# Altium PCB RadYaab_v1.PcbDoc (part 1 of 2)
Units mm, origin at the board's own origin, x right, y up, seen from the top; angles counter-clockwise.
Board outline 44 x 89 mm, 2 copper layers (Top Layer, Bottom Layer), stack 0.351 mm thick; 149 components, 96 nets, 434 pads, 290 vias.
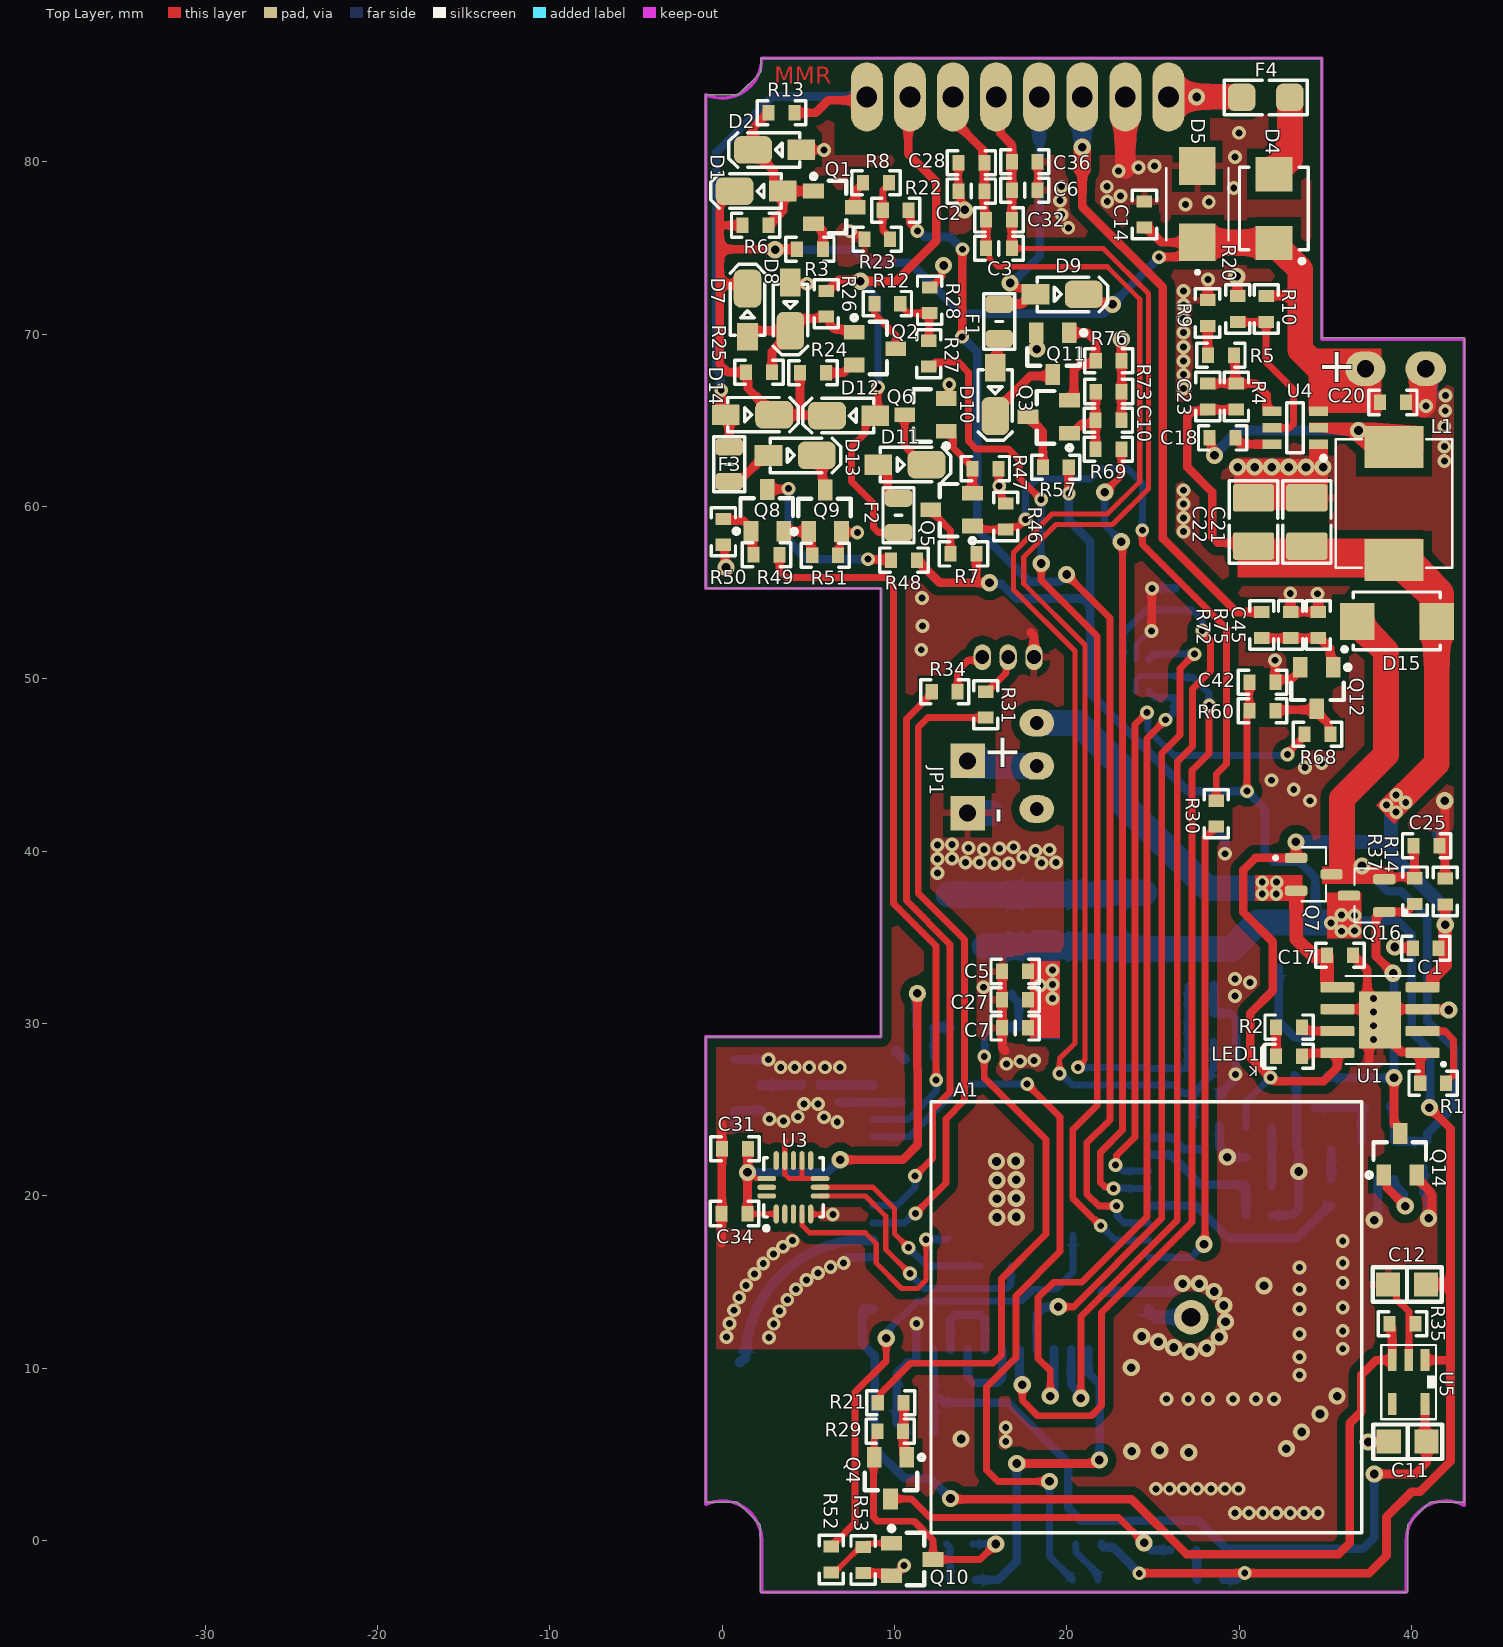
[diagram p0: Top Layer view]
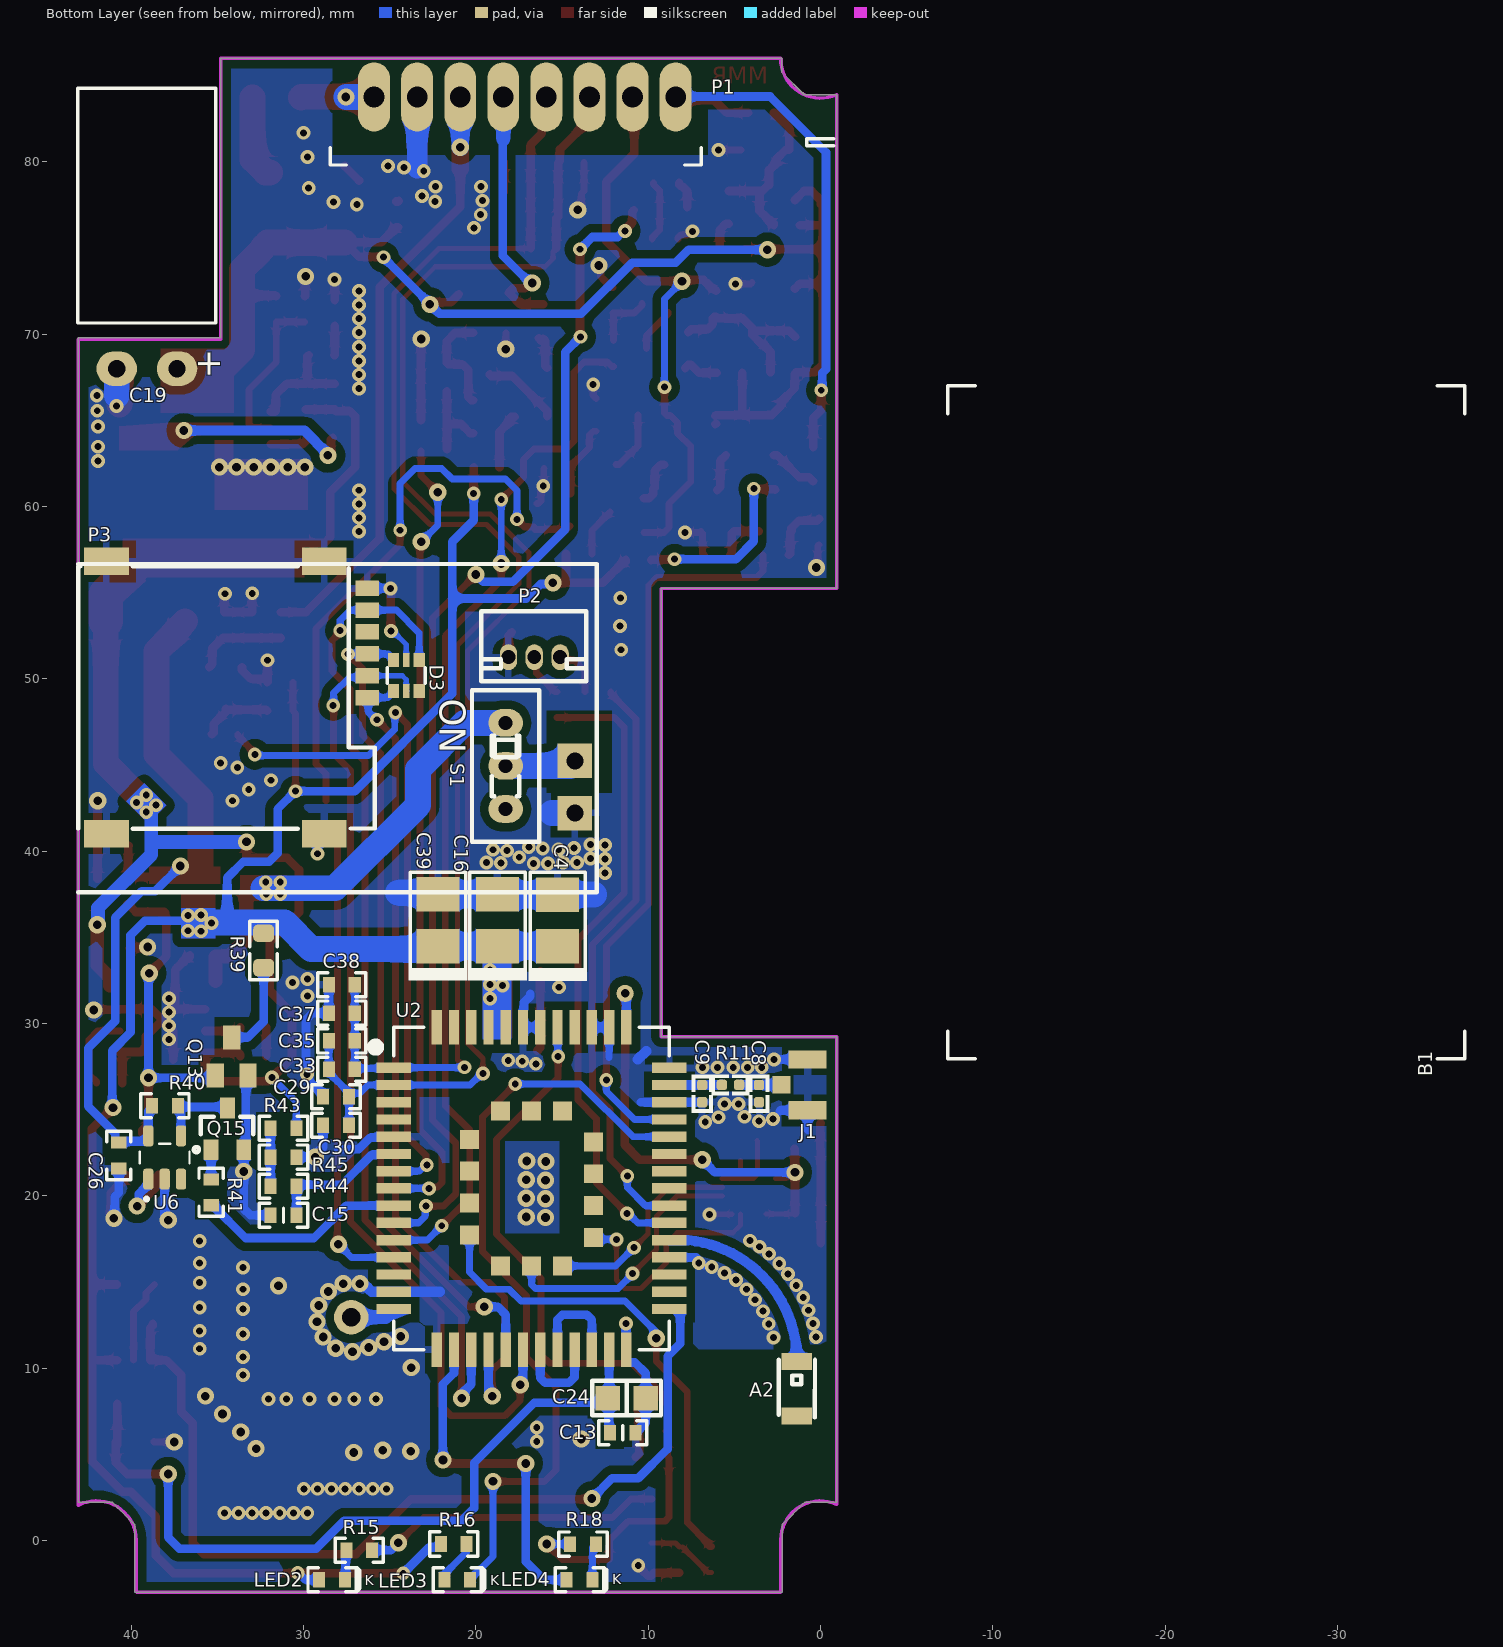
[diagram p1: Bottom Layer view, seen from below]
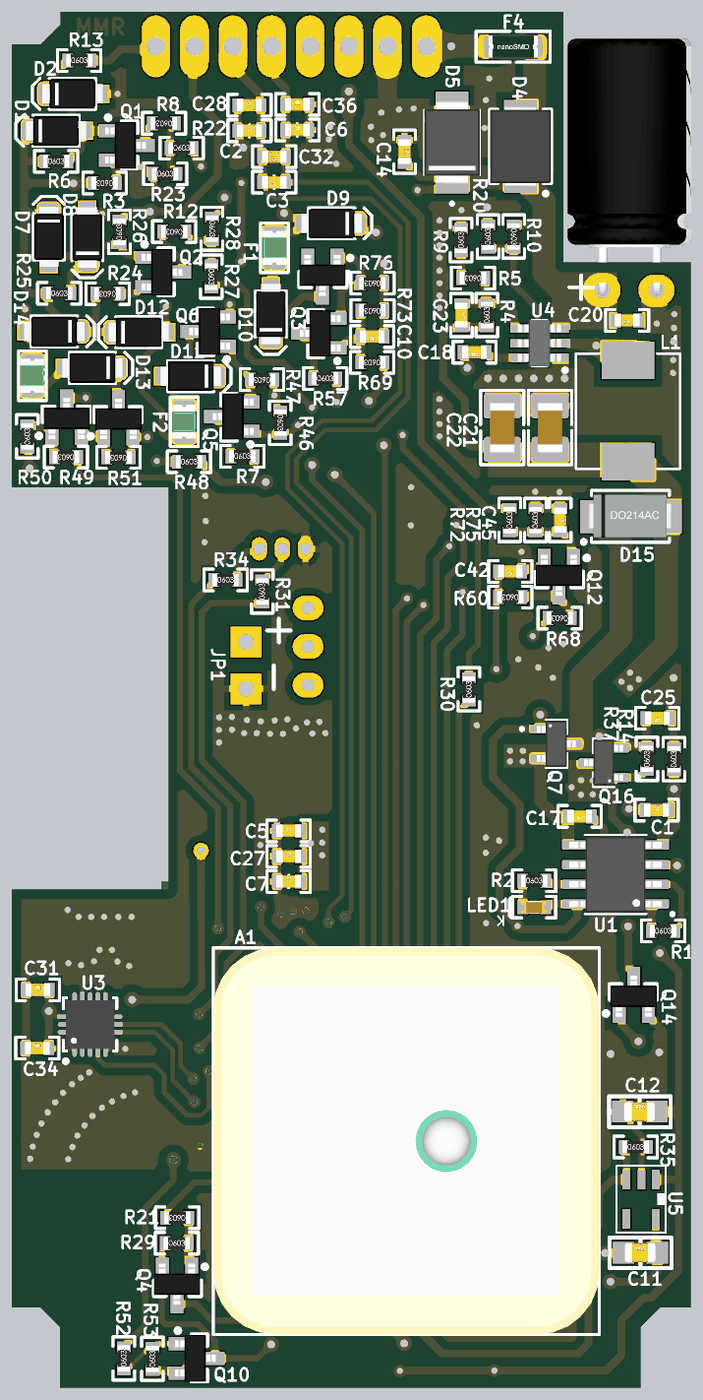
[diagram p3: 3D render of the assembled board from above, using the file's embedded part models]
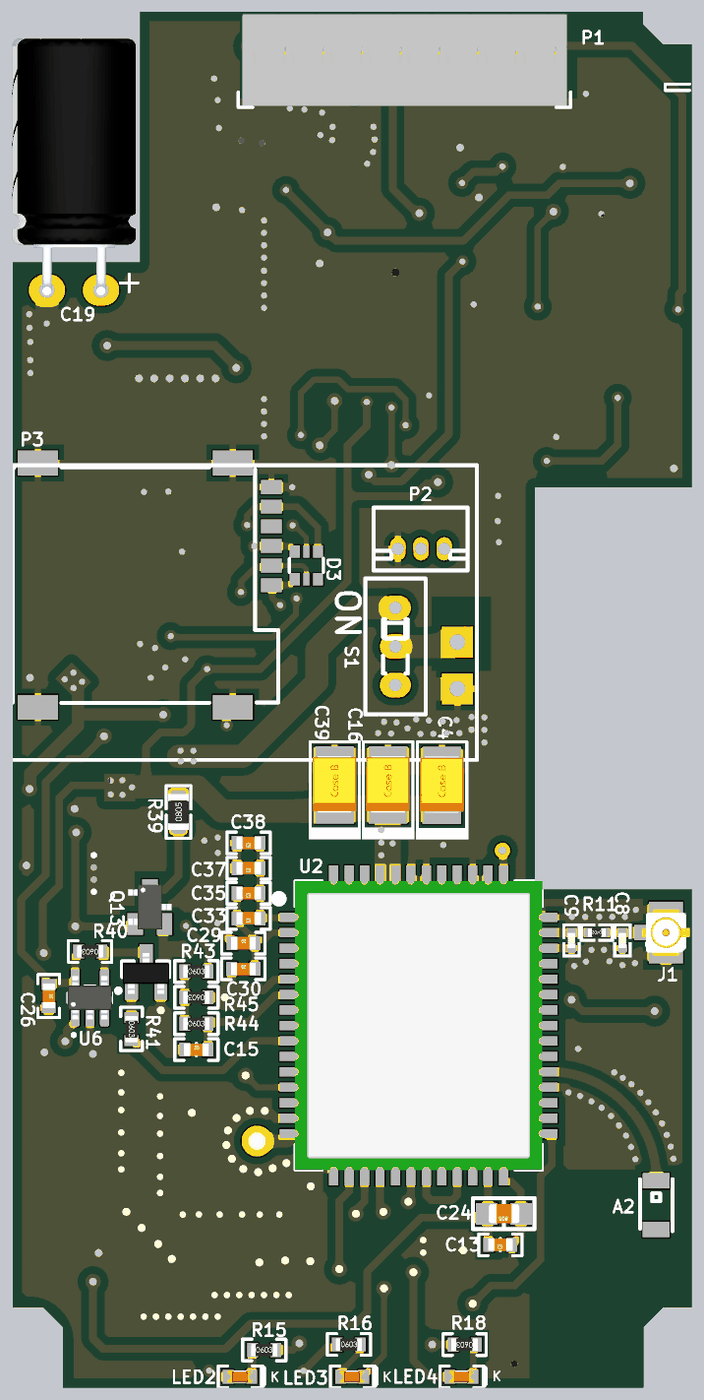
[diagram p4: 3D render of the assembled board from below, using the file's embedded part models]

## Layer stack, top to bottom
Top Solder: solder mask 0.0102, Solder Resist, Dk 3.5
Top Layer: signal copper 0.0356
Dielectric 1: core 0.28, FR-4, Dk 4.2
Bottom Layer: signal copper 0.0356
Bottom Solder: solder mask 0.0102, Solder Resist, Dk 3.5

## Board outline
-0.943,2.207 0.912,2.207 2.207,0.912 2.207,-3 39.799,-3 39.799,0.937 41.069,2.207 43.057,2.207 43.057,69.799 34.807,69.799 34.807,86.004 2.232,86.004 2.232,85.189 0.94,83.896 -0.943,83.896 -0.943,55.245 9.22,55.245 9.22,29.235 -0.943,29.235

## Design rules (kind name [scope] priority, off if disabled: settings)
Clearance Clearance_ANT_PAD [InPadClass('U2-ANT')] p1: gap=0.5 ignorepadtopadclearanceinfootprint=FALSE except(0: Arc-Hole Track-Hole SMDPad-Hole THPad-Hole Via-Hole Fill-Hole Poly-Hole Region-Hole Text-Hole)
Clearance Clearance_CI [InNet('GSM_ANT') or InNet('MC60_ANT_PAD')] p2: gap=0.2 ignorepadtopadclearanceinfootprint=FALSE except(0: Arc-Hole Track-Hole SMDPad-Hole THPad-Hole Via-Hole Fill-Hole Poly-Hole Region-Hole Text-Hole; 0.15: Arc-Via Track-Via; 0.5: Arc-THPad Track-THPad SMDPad-THPad THPad-THPad THPad-Via THPad-Fill THPad-Poly THPad-Region THPad-Text)
Clearance Clearance_Poly [InPoly] p3: gap=0.5 ignorepadtopadclearanceinfootprint=FALSE except(0: Arc-Hole Track-Hole SMDPad-Hole THPad-Hole Via-Hole Fill-Hole Poly-Hole Region-Hole Text-Hole)
Clearance [All] p4: gap=0.2 ignorepadtopadclearanceinfootprint=FALSE except(0: Arc-Hole Track-Hole SMDPad-Hole THPad-Hole Via-Hole Fill-Hole Poly-Hole Region-Hole Text-Hole)
HoleSize [All] p1 off: absolutevalues=TRUE maxlimit=2.54 minlimit=0.025 maxpercent=80.000 minpercent=20.000
HoleToHoleClearance [All] p1 off: gap=0.254 allowstackedmicrovias=TRUE
MinimumSolderMaskSliver [All] p1: minsoldermaskwidth=0.025
PolygonConnect PolygonDirectConnect [IsVia] p1: connectstyle=Direct reliefconductorwidth=0.254 reliefentries=4 polygonreliefangle="45 Angle" airgapwidth=0.254
PolygonConnect [All] p2: connectstyle=Relief reliefconductorwidth=0.4 reliefentries=4 polygonreliefangle="90 Angle" airgapwidth=0.4
RoutingVias [All] p1: holewidth=0.3 width=0.6 viastyle="Through Hole" minholewidth=0.3 minwidth=0.6 maxholewidth=1.27 maxwidth=1.27
SilkToSilkClearance [All] p1 off: silktosilkclearance=0.05
SilkToSolderMaskClearance [IsPad] p1 off: minsilkscreentomaskgap=0.02 clearancetoexposedcopper=TRUE
SolderMaskExpansion [All] p1: expansion=0.102 istentingtop=FALSE
Width [All] p1: maxlimit=5 minlimit=0.2 preferedwidth=0.254 minimp=50.000000 maximp=50.000000 favimp=50.000000
25 further rules are at their usual default settings.

## Classes and differential pairs
pad class U2-ANT: U2-41

## Components (designator, comment, footprint, x,y, rotation, side; value= is the part's Value field where it differs from the comment)
A1 "YDRA-A25-1575" YDRA-A25-1575 27.221,12.954 r270 top locked
A2 "2450AT18A100E" ANT-SMD_L3.2-W1.6 1.372,8.81 r270 bottom
B1 "PL 423040 3.7V 450maH 1.66wH" 3.7V-450mAh -37.389,66.548 r0 bottom
C1 "10uF" "C_0603 (1608 Metric)" 40.08,34.366 r0 top
C2 "10PF" "C_0603 (1608 Metric)" 13.715,78.308 r0 top
C3 "10PF" "C_0603 (1608 Metric)" 16.816,74.981 r180 top
C4 "100uF/6.3V" Tantalum-B 15.248,34.473 r270 bottom
C5 "10pF" "C_0603 (1608 Metric)" 16.255,33.02 r0 top
C6 "10PF" "C_0603 (1608 Metric)" 16.815,78.359 r0 top
C7 "100nF" "C_0603 (1608 Metric)" 16.255,29.743 r0 top
C8 "NA" C0402 3.556,25.933 r90 bottom
C9 "NA" C0402 6.858,25.933 r90 bottom
C10 "1uF" "C_0603 (1608 Metric)" 23.165,64.999 r180 top
C11 "10uF" "C_0805 (2012 Metric)" 38.684,5.74 r0 top
C12 "10uF" "C_0805 (2012 Metric)" 38.643,14.859 r0 top
C13 "100nF" "C_0603 (1608 Metric)" 10.717,6.248 r0 bottom
C14 "10nF" "C_0603 (1608 Metric)" 24.511,77.7 r270 top
C15 "100nF" "C_0603 (1608 Metric)" 31.904,18.872 r180 bottom
C16 "100uF/6.3V" Tantalum-B 18.745,34.49 r270 bottom
C17 "10uF" "C_0603 (1608 Metric)" 36.601,33.96 r180 top
C18 "100nF" "C_0603 (1608 Metric)" 29.796,63.983 r180 top
C19 "100uF/50V" CAP-16-5-3.5MM 37.33,68 r0 bottom locked
C20 "100nF" "C_0603 (1608 Metric)" 39.675,66.04 r180 top
C21 "22uF" C1206E 33.934,59.106 r270 top
C22 "22uF" C1206E 30.836,59.106 r270 top
C23 "75pF" "C_0603 (1608 Metric)" 28.194,67.132 r270 top
C24 "10uF" "C_0805 (2012 Metric)" 10.135,8.255 r0 bottom
C25 "1uF" "C_0603 (1608 Metric)" 41.632,40.31 r180 top
C26 "100nF" "C_0603 (1608 Metric)" 40.716,23.089 r270 bottom
C27 "33pF" "C_0603 (1608 Metric)" 16.255,31.369 r0 top
C28 "33PF" "C_0603 (1608 Metric)" 13.715,79.959 r0 top
C29 "10PF" "C_0603 (1608 Metric)" 28.856,25.756 r180 bottom
C30 "33PF" "C_0603 (1608 Metric)" 28.86,24.096 r180 bottom
C31 "100nf" "C_0603 (1608 Metric)" -0.001,22.733 r0 top
C32 "33PF" "C_0603 (1608 Metric)" 16.816,76.632 r180 top
C33 "10PF" "C_0603 (1608 Metric)" 27.02,27.356 r0 bottom
C34 "1uF" "C_0603 (1608 Metric)" -0.027,18.974 r0 top
C35 "33PF" "C_0603 (1608 Metric)" 27.02,28.99 r0 bottom
C36 "33PF" "C_0603 (1608 Metric)" 16.815,80.01 r0 top
C37 "10PF" "C_0603 (1608 Metric)" 27.02,30.607 r0 bottom
C38 "33PF" "C_0603 (1608 Metric)" 27.02,32.241 r0 bottom
C39 "100uF/6.3V" Tantalum-B 22.2,34.49 r270 bottom
C42 "100nF" "C_0603 (1608 Metric)" 32.106,49.801 r180 top
C45 "100nF" "C_0603 (1608 Metric)" 34.587,53.875 r270 top
D1 "1N4148WS" D_SOD123W 1.93,78.308 r180 top
D2 "1N4148WS" D_SOD123W 2.997,80.696 r180 top
D3 "SMF05C" SOT363 24.028,50.19 r0 bottom
D4 "SS28" DO-214AA 32.023,77.295 r270 top
D5 "SMBJ24A" DIOM5436X261N 27.584,77.546 r90 top
D7 "1N4148WS" D_SOD123W 1.473,71.45 r90 top
D8 "1N4148WS" D_SOD123W 3.962,71.399 r270 top
D9 "1N4148WS" D_SOD123W 19.787,72.314 r0 top
D10 "1N4148WS" D_SOD123W 15.85,66.447 r270 top
D11 "1N4148WS" D_SOD123W 10.668,62.433 r0 top
D12 "1N4148WS" D_SOD123W 7.29,65.278 r180 top
D13 "1N4148WS" D_SOD123W 4.293,62.967 r0 top
D14 "1N4148WS" D_SOD123W 1.823,65.329 r0 top
D15 "MBRA210LT3G" DO-214AC 39.167,53.34 r180 top
F1 "FUSE500mA/0805" F0805 16.078,70.739 r270 top value=FUSE500mA
F2 "FUSE500mA/0805" F0805 10.236,59.487 r90 top
F3 "FUSE500mA/0805" F0805 0.406,62.459 r270 top value=FUSE500mA
F4 "FUSE3A_1206" F1206 31.547,83.744 r0 top
J1 "636101111001" 63610111x001 0.737,26.443 r270 bottom
JP1 "JST-XH-2PIN-V-2.5MM" BT-CON 14.241,45.237 r0 top
L1 "TMPC0603H-100MG-D" IND-SMD_L7.3-W6.6 38.989,60.173 r90 top
LED1 "LED WHITE SMD 0603" "LED-0603 (1608 Metric)" 33.655,28.092 r0 top
LED2 "LED BLUE SMD 0603" "LED-0603 (1608 Metric)" 29.083,-2.286 r0 bottom
LED3 "LED RED SMD 0603" "LED-0603 (1608 Metric)" 21.819,-2.286 r0 bottom
LED4 "LED GREEN SMD 0603" "LED-0603 (1608 Metric)" 14.732,-2.286 r0 bottom
P1 "Crimp Housing" CON-8 25.9,83.769 r180 bottom locked
P2 "CONN HEADER VERT 3POS 1.5MM" JST_ZH_3Pin_150mm 15.1,51.262 r0 bottom
P3 "KH-SIM1616-6PIN" MICRO-SIM-SMD_KH-SIM1616-6PIN 33.858,48.92 r270 bottom locked
Q1 "BC807-40" SOT-23-3 5.309,78.308 r270 top
Q2 "BC807-40" SOT-23-3 7.671,70.114 r270 top
Q3 "BC817-40" SOT-23-3 20.16,64.262 r90 top
Q4 "BC817-40" SOT-23-3 10.721,4.826 r180 top
Q5 "BC817-40" SOT-23-3 14.529,58.867 r90 top
Q6 "BC817-40" SOT-23-3 13.005,64.369 r90 top
Q7 "DMP1045U-7" SOT95P237X112-3N 34.341,38.659 r0 top
Q8 "BC817-40" SOT-23-3 1.676,58.572 r0 top
Q9 "BC817-40" SOT-23-3 5.029,58.547 r0 top
Q10 "BC817-40" SOT-23-3 9.83,-0.152 r270 top
Q11 "BC817-40" SOT-23-3 20.137,70.079 r180 top
Q12 "BC817-40" SOT-23-3 35.458,50.673 r180 top
Q13 "AO3416" SOT23-3 34.163,28.092 r180 bottom
Q14 "BC817-40" SOT-23-3 38.405,21.209 r0 top
Q15 "BC817-40" SOT-23-3 35.357,22.682 r180 bottom
Q16 "DMP1045U-7" SOT95P237X112-3N 37.405,37.424 r180 top
R1 "20KR" "R_0603 (1608 Metric)" 40.512,26.543 r0 top value=1KR
R2 "1K" "R_0603 (1608 Metric)" 32.155,29.794 r0 top value=1KR
R3 "100R" "R_0603 (1608 Metric)" 5.843,74.93 r180 top
R4 "100K/1%" "R_0603 (1608 Metric)" 29.845,65.632 r90 top value=100K
R5 "10K/1%" "R_0603 (1608 Metric)" 29.693,68.783 r180 top value=10K
R6 "10K" "R_0603 (1608 Metric)" 1.194,76.327 r0 top
R7 "1K" "R_0603 (1608 Metric)" 13.257,57.252 r0 top value=4.7KR
R8 "10K" "R_0603 (1608 Metric)" 9.679,78.791 r180 top
R9 "5.1K/1%" "R_0603 (1608 Metric)" 28.169,70.484 r90 top value=5.1K
R10 "511K" "R_0603 (1608 Metric)" 31.572,72.212 r270 top
R11 "0R" R0402 5.215,26.441 r0 bottom value=4.7KR
R12 "10K" "R_0603 (1608 Metric)" 10.339,71.78 r180 top
R13 "4.7K" "R_0603 (1608 Metric)" 2.692,82.855 r0 top
R14 "100K" "R_0603 (1608 Metric)" 41.961,36.906 r90 top value=1KR
R15 "330R" "R_0603 (1608 Metric)" 27.51,-0.559 r180 bottom value=1KR
R16 "1K" "R_0603 (1608 Metric)" 22.022,-0.203 r180 bottom value=1KR
R18 "1K" "R_0603 (1608 Metric)" 13.027,-0.206 r0 bottom value=1KR
R20 "105K" "R_0603 (1608 Metric)" 29.921,70.714 r90 top
R21 "4.7K" "R_0603 (1608 Metric)" 10.533,8.001 r180 top value=4.7KR
R22 "1K" "R_0603 (1608 Metric)" 9.322,77.191 r0 top
R23 "4.7K" "R_0603 (1608 Metric)" 8.255,75.514 r0 top
R24 "100R" "R_0603 (1608 Metric)" 6.021,67.767 r180 top
R25 "10K" "R_0603 (1608 Metric)" 1.396,67.793 r0 top
R26 "4.7K" "R_0603 (1608 Metric)" 6.045,71.018 r90 top
R27 "1K" "R_0603 (1608 Metric)" 11.989,69.621 r270 top
R28 "4.7K" "R_0603 (1608 Metric)" 12.04,72.72 r270 top
R29 "47K" "R_0603 (1608 Metric)" 9.009,6.35 r0 top value=4.7KR
R30 "3.3K" "R_0603 (1608 Metric)" 28.677,41.426 r90 top value=4.7KR
R31 "100R" "R_0603 (1608 Metric)" 15.291,47.753 r90 top value=4.7KR
R34 "100R" "R_0603 (1608 Metric)" 12.165,49.253 r0 top value=4.7KR
R35 "47K" "R_0603 (1608 Metric)" 38.734,12.573 r0 top value=4.7KR
R37 "100K" "R_0603 (1608 Metric)" 40.208,36.932 r90 top value=1KR
R39 "100R" R0805 32.309,34.239 r90 bottom value=100
R40 "10K" "R_0603 (1608 Metric)" 37.286,25.222 r0 bottom value=1KR
R41 "0R" "R_0603 (1608 Metric)" 35.357,20.956 r270 bottom value=1KR
R43 "47KR/ 1%" "R_0603 (1608 Metric)" 31.904,23.927 r180 bottom
R44 "10K" "R_0603 (1608 Metric)" 31.904,20.549 r180 bottom
R45 "47KR/ 1%" "R_0603 (1608 Metric)" 30.402,22.25 r0 bottom
R46 "10K" "R_0603 (1608 Metric)" 16.459,60.173 r270 top value=4.7KR
R47 "10K" "R_0603 (1608 Metric)" 16.027,62.205 r180 top value=4.7KR
R48 "1K" "R_0603 (1608 Metric)" 9.803,56.896 r0 top value=4.7KR
R49 "3.3K" "R_0603 (1608 Metric)" 3.327,57.201 r180 top value=4.7KR
R50 "10K" "R_0603 (1608 Metric)" 0.076,57.785 r90 top value=4.7KR
R51 "10K" "R_0603 (1608 Metric)" 6.731,57.175 r180 top value=4.7KR
R52 "4.7K" "R_0603 (1608 Metric)" 6.325,-1.854 r90 top value=1KR
R53 "4.7K" "R_0603 (1608 Metric)" 8.179,-1.88 r90 top value=1KR
R57 "1K" "R_0603 (1608 Metric)" 18.617,62.281 r0 top value=4.7KR
R60 "10K" "R_0603 (1608 Metric)" 32.106,48.15 r180 top
R68 "120R" "R_0603 (1608 Metric)" 35.306,46.787 r180 top
R69 "3.3K" "R_0603 (1608 Metric)" 23.165,63.322 r180 top value=4.7KR
R72 "47K" "R_0603 (1608 Metric)" 31.318,52.375 r90 top
R73 "10K" "R_0603 (1608 Metric)" 23.182,66.675 r180 top value=4.7KR
R75 "10K" "R_0603 (1608 Metric)" 32.987,52.375 r90 top
R76 "10K" "R_0603 (1608 Metric)" 23.182,68.453 r180 top value=4.7KR
S1 "SS-12D00G3" SW-TH_SS-12D01-GX 18.263,44.947 r270 bottom
U1 "TP4056" SOP127P600X175-9N 38.176,30.201 r180 top
U2 "MC60" MOD-54_ExtraPins 24.757,27.432 r180 bottom locked
U3 "LIS3DHTR" PQFN50P300X300X79-16N 4.14,20.498 r90 top
U4 "TPS54202DDC" SOT95P280X100-6N 33.249,64.567 r180 top
U5 "TLV74333PDBVR" SOT23-5 40.79,10.465 r270 top
U6 "TPS3823-33DBVR" SOT95P280X145-5N 38.049,22.225 r90 bottom

## Footprints (in the part's own frame and the unit in brackets; to place one, negate y for a bottom-side part, rotate by r counter-clockwise, add the part's x,y. Pads: shape width x height; smd on the part's side, far side on the other; paste and mask are expansions set on the pad)
3.7V-450mAh [mm] "Li-Ion Battery"
  silkscreen extent 0,-0.45 30,38.6, body extent 0.05,-0.2 30.05,38.4, height 5
63610111x001 [mm] "RF CONNECTOR VERTICAL 1.25MM"
  rect 1x1.05 smd: 1(0,-1.525)
  rect 1.05x2.2 smd: 2(-1.475,0) 3(1.475,0)
  body extent -1.5,-1.55 1.5,1.55, height 1.25
ANT-SMD_L3.2-W1.6 [mm]
  rect 1x1.75 smd: 1(-1.578,0) 2(1.578,0)
  silkscreen extent -1.68,-1.05 1.68,1.06
BT-CON [mm]
  rect 2x2 hole 1: 1(0,0) 2(0,-3.023)
C0402 [mm] "CHIP Capacitor, 1.0X0.5mm, 0402"
  rrect50% 0.6x0.6 smd mask+0.075: 1(-0.5,0) 2(0.5,0)
  silkscreen extent -1.1,-0.6 1.1,0.6, body extent -0.5,-0.27 0.5,0.27, height 0.36
C1206E [mm] "CHIP Capacitor, 3.2X1.6mm, 1206, EXPANDED PAD"
  rrect20% 1.6x2.4 smd mask+0.075: 1(-1.4,0) 2(1.4,0)
  Top Layer pour cut-out: -0.8,1 -0.8,-1 0.8,-1 0.8,1
  silkscreen extent -2.4,-1.4 2.4,1.4, body extent -1.6,-0.8 1.6,0.8, height 1
"C_0603 (1608 Metric)" [mm]
  rect 0.7x0.9 smd: 1(0,0) 2(1.5,0)
  silkscreen extent -0.65,-0.7 2.15,0.7, body extent -0.05,-0.4 1.55,0.4, height 0.3
"C_0805 (2012 Metric)" [mm]
  rect 1.4x1.4 smd: 1(0,0) 2(2.2,0)
  silkscreen extent -0.89,-1.01 3.11,0.99, body extent 0.08,-0.63 2.08,0.62, height 0.78
CAP-16-5-3.5MM [mm]
  oval 2.35x2 hole 1: 1(0,0) 2(3.5,0)
  silkscreen extent -2.25,-16.26 5.76,-2.65, body extent -2.25,-16.26 5.76,0.36, height 4.5
CON-8 [mm]
  oval 1.85x4 hole 1.2: 1(0,0) 2(2.5,0) 3(5,0) 4(7.5,0) 5(10,0) 6(12.5,0) 7(15,0) 8(17.5,0)
  silkscreen extent -2.55,-3.95 18.98,-2.95, body extent -2.27,-3.84 18.73,2.06, height 2.95
D_SOD123W [mm] "PowerDI-123, SOD123, DO-213AA, 1206D"
  rect 1.6x1.2 smd paste-0.1 mask+0.1: 1(-1.6,0)
  rrect50% 2.2x1.6 smd paste-0.1 mask+0.1: 2(1.2,0)
  Top Layer pour cut-out: -1.016,1.1 -1.016,-1.1 1.016,-1.1 1.016,1.1
  silkscreen extent -1.5,-1 2.6,1, body extent -1.95,-0.97 1.95,0.96, height 1
DIOM5436X261N [mm]
  rect 2.18x2.12 smd: A(2.215,0) C(-2.215,0)
  silkscreen extent -4.05,-1.81 2.1,1.81, body extent -2.68,-1.81 2.68,1.81, height 2.65
DO-214AA [mm] "DIODE SCHOTTKY 40V 2A DO214AA"
  rect 2x2.15 smd: 1(-2,0) 2(2,0)
  silkscreen extent -2.4,-2 3.17,2, body extent -2.6,-1.97 2.6,1.97, height 2.45
DO-214AC [mm] "DIODE SCHOTTKY 40V 2A DO214AA"
  rect 2x2.15 smd: 1(-2.3,0) 2(2.3,0)
  silkscreen extent -2.5,-1.7 3.17,1.75, body extent -2.69,-1.45 2.79,1.35, height 2.29
F0805 [mm] "FUSE FAST 500mA, 0805, 2012, 2.0X1.3mm"
  rrect50% 1x1.6 smd paste-0.1 mask+0.075: 1(-1,0) 2(1,0)
  Top Layer pour cut-out: -0.5,0.8 0.5,0.8 0.5,-0.8 -0.5,-0.8
  silkscreen extent -1.6,-0.9 1.6,0.9, body extent -1.1,-0.75 1.1,0.75, height 1.24
F1206 [mm] "FUSE, 1206, 3.2x1.6mm"
  rrect50% 1.6x1.6 smd paste-2 mask+0.075: 1(-1.4,0) 2(1.4,0)
  Top Layer pour cut-out: -0.8,1 -0.8,-1 0.8,-1 0.8,1
  silkscreen extent -2.4,-1 2.4,1, body extent -1.6,-0.8 1.6,0.8, height 1
IND-SMD_L7.3-W6.6 [mm] "Chip Inductor, EIA 1008, Metric 2520, Body 2.60mm L X 2.00mm W X 1.00mm H, IPC Medium Density"
  rect 2.424x3.42 smd: 1(3.278,0) 2(-3.278,0)
  silkscreen extent -3.73,-3.38 3.73,3.38
JST_ZH_3Pin_150mm [mm] "JST ZH 3 Pin"
  oval 1x1.5 hole 0.8: 1(0,0) 2(1.5,0) 3(3,0)
  silkscreen extent -1.52,-2.67 4.57,1.4
"LED-0603 (1608 Metric)" [mm] "SMD LED 0603, P=2.2mm"
  rect 0.7x0.9 smd: 1(0,0) 2(-1.5,0)
  silkscreen extent -2.35,-0.7 0.65,0.7, body extent -1.55,-0.4 0.05,0.4, height 0.6
MICRO-SIM-SMD_KH-SIM1616-6PIN [mm]
  rect 0.9x1.35 smd: 1(-5.07,7.565) 2(-2.53,7.565) 3(0.01,7.565) 4(-6.34,7.565) 5(-3.8,7.565) 6(-1.26,7.565)
  rect 1.6x2.6 smd: 9(-7.9,5.065) 10(7.9,5.065) 11(-7.9,-7.565) 12(7.9,-7.565)
  silkscreen extent -7.62,-9.2 7.62,8
MOD-54_ExtraPins [mm] "SKC111"
  rect 2x0.6 smd: 1(0,0) 1(0,0) 2(0,-1) 3(0,-2) 4(0,-3) 5(0,-4) 6(0,-5) 7(0,-6) 8(0,-7) 9(0,-8) 10(0,-9) 11(0,-10) 12(0,-11) 13(0,-12) 14(0,-13) 15(0,-14) 28(16,-14) 28(16,-14) 29(16,-13) 30(16,-12) 31(16,-11) 32(16,-10) 33(16,-9) 34(16,-8) 35(16,-7) 36(16,-6) 37(16,-5) 38(16,-4) 39(16,-3) 40(16,-2) 41(16,-1) 42(16,0)
  rect 0.6x2 smd: 16(2.5,-16.35) 16(2.5,-16.35) 17(3.5,-16.35) 18(4.5,-16.35) 19(5.5,-16.35) 20(6.5,-16.35) 21(7.5,-16.35) 22(8.5,-16.35) 23(9.5,-16.35) 24(10.5,-16.35) 25(11.5,-16.35) 26(12.5,-16.35) 27(13.5,-16.35) 43(13.5,2.35) 43(13.5,2.35) 44(12.5,2.35) 45(11.5,2.35) 46(10.5,2.35) 47(9.5,2.35) 48(8.5,2.35) 49(7.5,2.35) 50(6.5,2.35) 51(5.5,2.35) 52(4.5,2.35) 53(3.5,2.35) 54(2.5,2.35)
  rect 1.1x1.1 smd: 55(4.4,-4.15) 56(4.4,-6) 57(4.4,-7.85) 58(4.4,-9.7) 59(6.2,-11.5) 60(8,-11.5) 61(9.8,-11.5) 62(11.6,-9.85) 63(11.6,-8) 64(11.6,-6.15) 65(11.6,-4.3) 66(9.8,-2.5) 67(8,-2.5) 68(6.2,-2.5)
  silkscreen extent -1.3,-16.35 16,2.35, body extent 0,-16.35 16,2.35, height 2.1
PQFN50P300X300X79-16N [mm] "PQFN, 16-Leads, Body 3.00x3.00mm, Pitch 0.50mm, IPC Medium Density"
  oval 1.1x0.3 smd mask+0.038: 1(-1.55,1) 2(-1.55,0.5) 3(-1.55,0) 4(-1.55,-0.5) 5(-1.55,-1) 9(1.55,-1) 10(1.55,-0.5) 11(1.55,0) 12(1.55,0.5) 13(1.55,1)
  oval 0.3x1.1 smd mask+0.038: 6(-0.5,-1.55) 7(0,-1.55) 8(0.5,-1.55) 14(0.5,1.55) 15(0,1.55) 16(-0.5,1.55)
  silkscreen extent -2.5,-1.73 1.73,1.73, body extent -1.57,-1.57 1.58,1.58, height 0.78
R0402 [mm] "CHIP Resistor, 1.0X0.5mm, 0402"
  rrect50% 0.6x0.6 smd mask+0.075: 1(-0.5,0) 2(0.5,0)
  silkscreen extent -1.1,-0.6 1.1,0.6, body extent -0.58,-0.28 0.58,0.28, height 0.41
R0805 [mm] "CHIP RESISTOR 1/8 WATT ,2.0X1.3mm, 0805, 2012"
  rrect50% 1x1.2 smd paste-0.1 mask+0.075: 1(-1,0) 2(1,0)
  Top Layer pour cut-out: -0.5,0.8 0.5,0.8 0.5,-0.8 -0.5,-0.8
  silkscreen extent -1.7,-0.8 1.7,0.8, body extent -1.15,-0.67 1.15,0.67, height 0.76
"R_0603 (1608 Metric)" [mm]
  rect 0.7x0.9 smd: 1(0,0) 2(1.5,0)
  silkscreen extent -0.65,-0.7 2.15,0.7, body extent -0.1,-0.4 1.6,0.4, height 0.56
SOP127P600X175-9N [mm]
  rrect25% 1.97x0.6 smd: 1(-2.475,1.905) 2(-2.475,0.635) 3(-2.475,-0.635) 4(-2.475,-1.905) 5(2.475,-1.905) 6(2.475,-0.635) 7(2.475,0.635) 8(2.475,1.905)
  rect 2.413x3.302 smd paste-3: 9(0,0)
  silkscreen extent -3.78,-2.55 2,2.67, body extent -3,-2.45 3,2.45, height 1.75
SOT23-3 [mm]
  rect 1x1.4 smd: 1(-0.95,-1.1) 2(0.95,-1.1) 3(0,1.1)
  body extent -1.4,-1.45 1.4,1.45, height 1.25
SOT23-5 [mil]
  rect 50x20 smd: 1(0,0) 2(0,-37) 3(0,-75) 4(100,-75) 5(100,0)
  silkscreen extent -35,-100 135,25, body extent 2,-95 98,20, height 52
SOT95P237X112-3N [mm]
  rrect50% 1.3x0.59 smd: 1(-1.025,0.95) 2(-1.025,-0.95) 3(1.025,0)
  silkscreen extent -2.32,-1.57 0.7,1.57, body extent -1.25,-1.46 1.25,1.46, height 1.12
SOT95P280X100-6N [mm] "SOT23, 0.95mm pitch; 6 pin, 1.625mm W X 2.90mm L X 1.00mm H body, IPC Medium Density"
  rect 1.1x0.55 smd: 1(-1.35,0.95) 2(-1.35,0) 3(-1.35,-0.95) 4(1.35,-0.95) 5(1.35,0) 6(1.35,0.95)
  silkscreen extent -1.78,-1.45 0.48,1.87, body extent -1.4,-1.5 1.4,1.5, height 1
SOT95P280X145-5N [mm]
  rrect50% 1.21x0.59 smd: 1(-1.255,0.95) 2(-1.255,0) 3(-1.255,-0.95) 4(1.255,-0.95) 5(1.255,0.95)
  silkscreen extent -2.51,-1.45 0.8,1.45, body extent -1.4,-1.45 1.4,1.45, height 1.45
SOT363 [mm] "SOT363"
  rect 0.65x0.8 smd: 1(-0.75,-0.9) 3(0.75,-0.9) 4(0.75,0.9) 6(-0.75,0.9)
  rect 0.4x0.8 smd: 2(0,-0.9) 5(0,0.9)